# Altium PCB 3-as-manufactured.PcbDoc (part 5 of 16)
Units mil, origin at the board's own origin, x right, y up, seen from the top; angles counter-clockwise.
Board outline 4130.55 x 4250 mil, 8 copper layers (L1_TOP, L2_GND, L3_INT, L4_PWR, L5_PWR, L6_INT, L7_GND, L8_BOT), stack 61 mil thick; 584 components, 489 nets, 2229 pads, 1894 vias.
Unrouted connection lines stored in the file: 4.
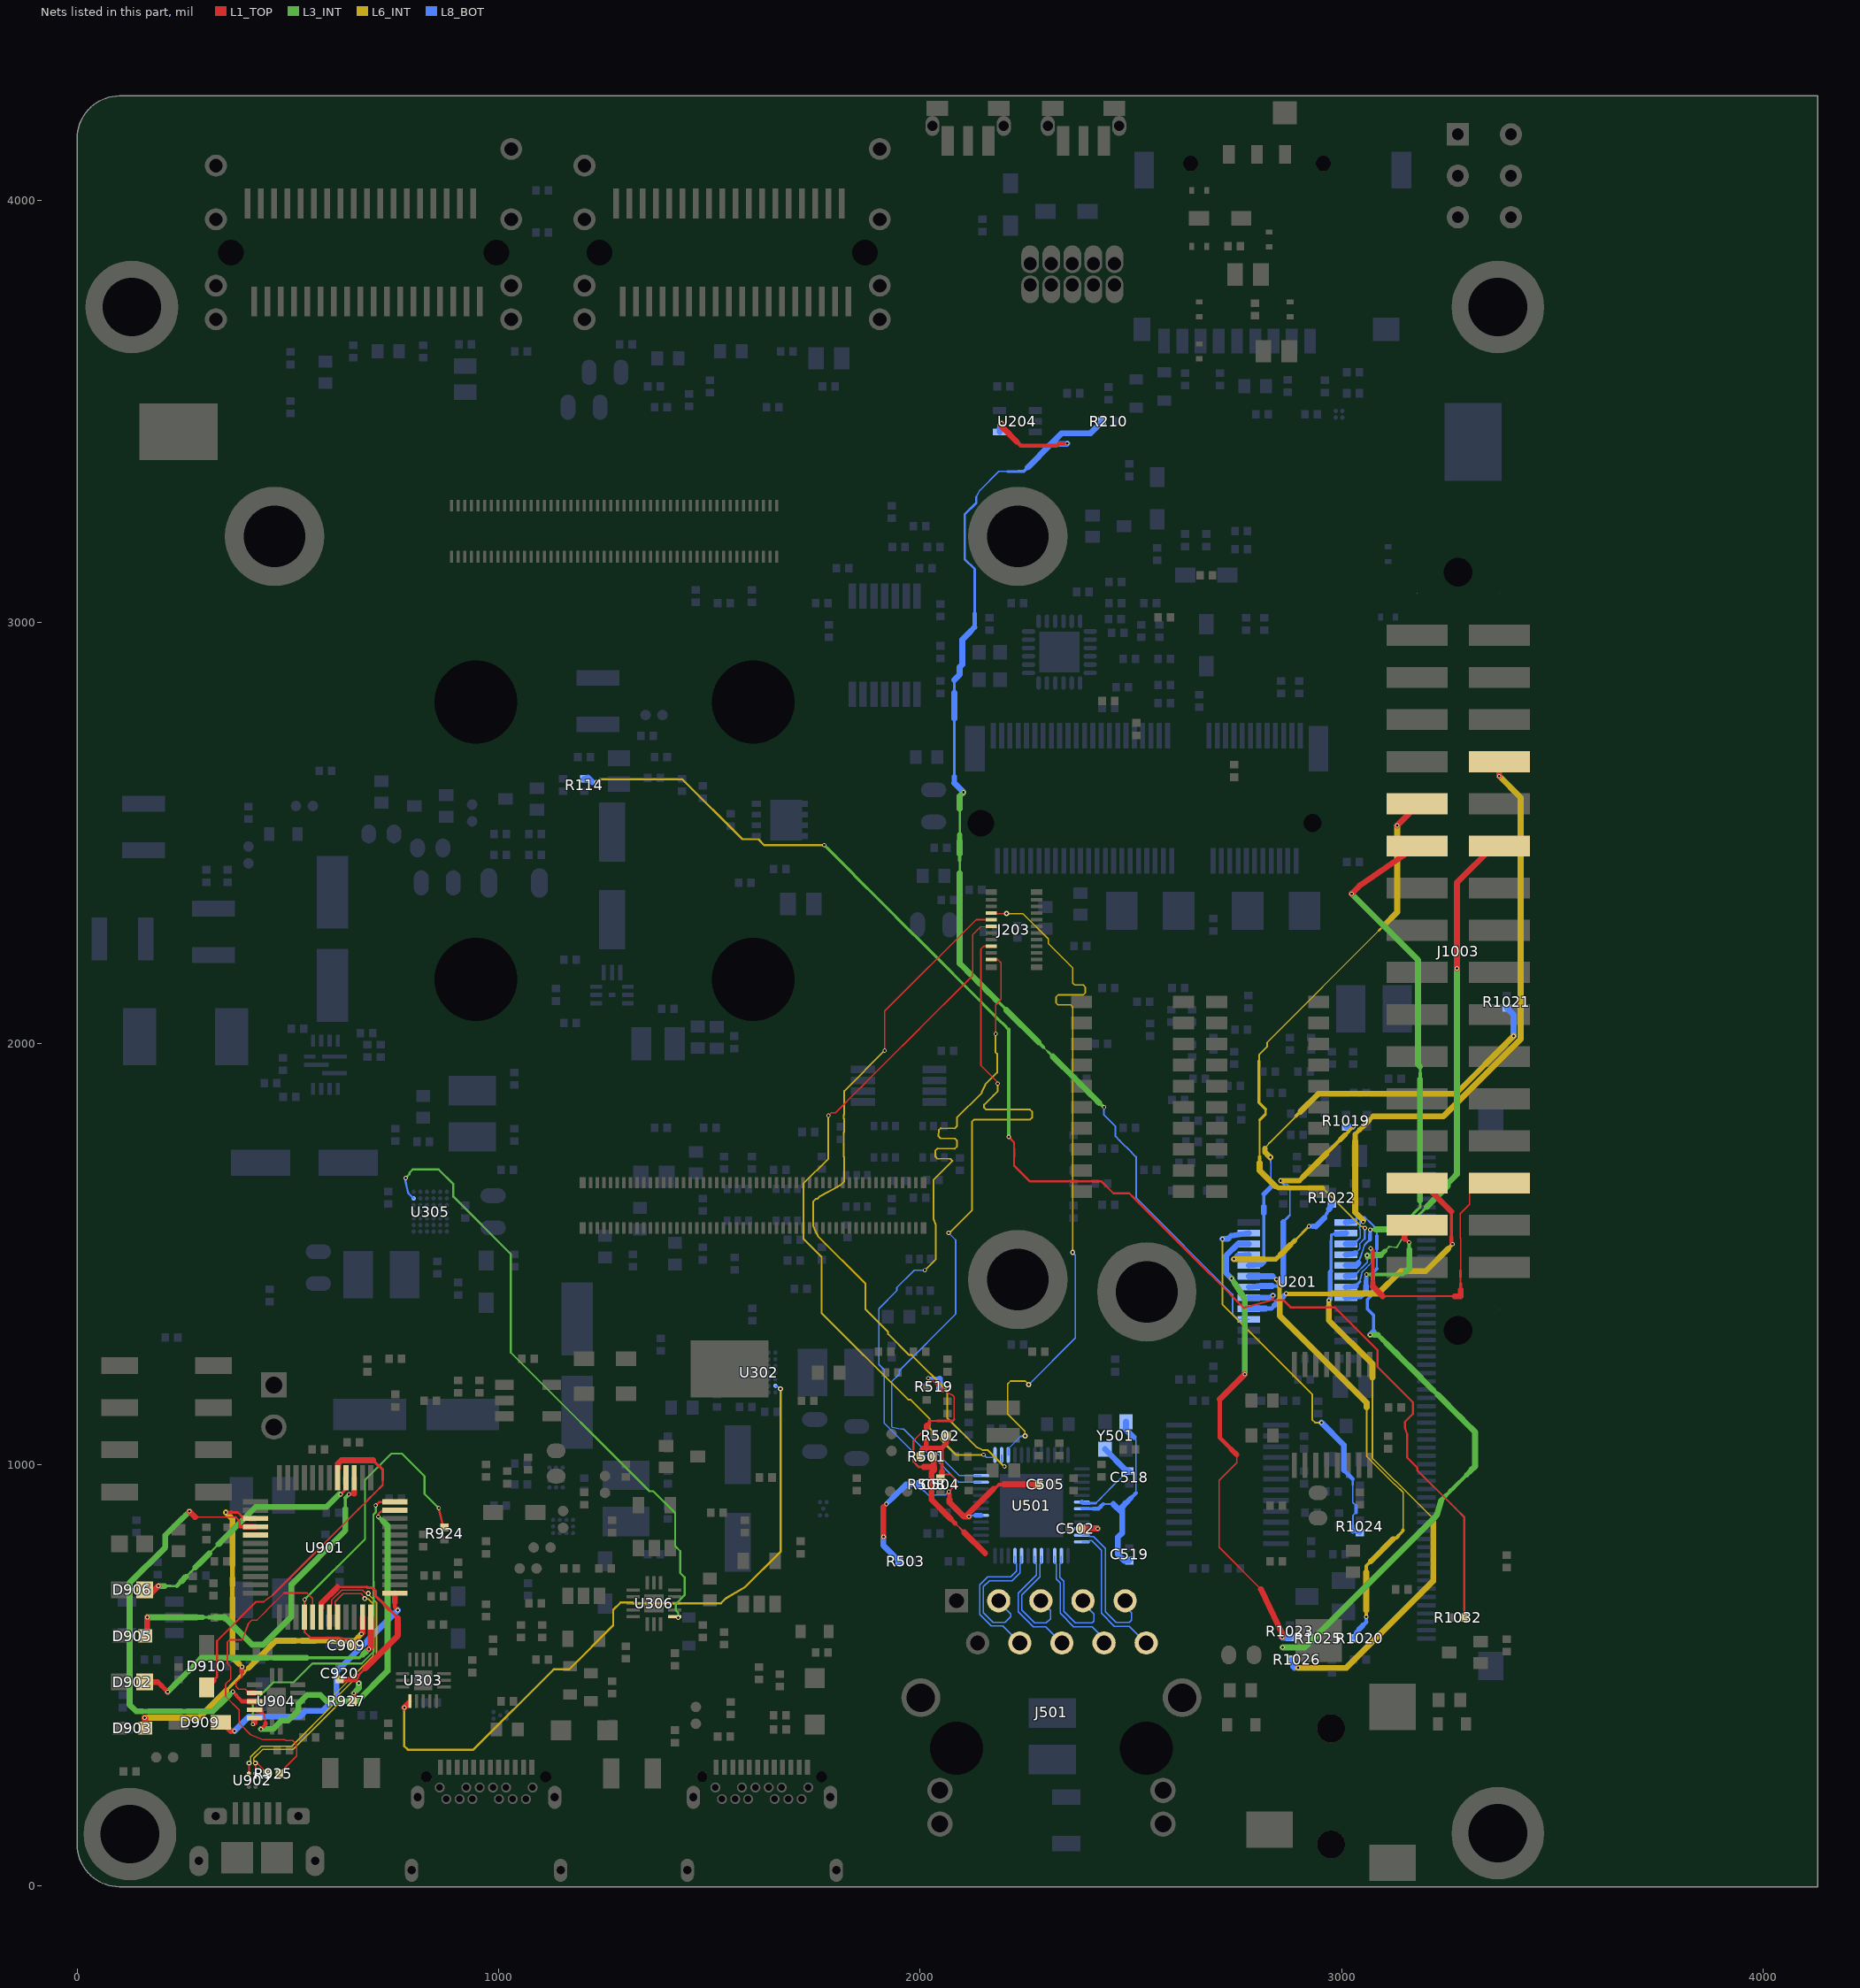
[diagram p11: the nets of this part, all layers, seen from the top]

## Via types
v1: diameter 10, hole 5.9, L1_TOP to L8_BOT, tented both sides, 1703 vias
v2: diameter 12, hole 5.9, L1_TOP to L8_BOT, tented both sides, 110 vias
v3: diameter 10, hole 6, L1_TOP to L8_BOT, tented both sides, 69 vias
v4: diameter 12, hole 6, L1_TOP to L8_BOT, tented both sides, 12 vias

## Nets (pads, with @x,y where several pads share a name; then routed paths per layer and width w, separated by ;. In a path a pad name is that pad's centre, name@x,y a point inside that pad or via, vN(x,y) a via of type N, cw(c..) or ccw(c..) an arc to the next point about the centre after c; other vN are vias at no path point) (continued)
ENET_TD1: J203.11 U501.37 | length 1709.6
  L1_TOP w3.5: v1(1782.13,1828.95) 1788.97,1835.79 1799.08,1835.79 1853.27,1889.98 1864.12,1900.83 1874.96,1911.68 1940.05,1976.76 1950.89,1987.61 1961.74,1998.45 2037.67,2074.38 2048.52,2085.23 2059.37,2096.08 2124.45,2161.16 2124.45,2258.09 2142.94,2276.59 2155.84,2277.36 J203.11@2168.74,2278.13
  L6_INT w4.2: v1(1782.13,1828.95) 1782.13,1726.75 1722.74,1667.36 1722.74,1536.95 1766.04,1493.65 1766.04,1360.26 1971.4,1154.9 1976.61,1154.9 2022.24,1109.26 2022.24,1086.52 2085.22,1023.55 2149.55,1023.55 v1(2150,1024)
  L8_BOT w3.5: v1(2150,1024) 2150.49,1024 2157,1017.49 2171.62,1017.49 U501.37@2177.44,1023.3
ENET_TD2: J203.13 U501.38 | length 1735.3
  L1_TOP w3.5: v1(1915.79,1983.21) 1915.79,2076.78 2132.89,2293.88 J203.13@2168.74,2293.89
  L6_INT w4.2: v1(1915.79,1983.21) 1819.8,1887.22 1819.8,1831.8 1818.84,1830.84 1818.84,1821.7 1819.2,1821.35 1819.2,1789.9 1818.9,1789.6 1818.9,1731 1819.1,1730.8 1819.1,1672.2 1810.72,1663.81 1801.77,1658.95 1790,1652.56 1778.23,1646.17 1766.46,1639.77 1762.63,1637.69 1761.67,1636.97 1756.6,1631.9 1753.22,1631.9 1745.76,1624.45 1745.76,1567 1751.5,1554.98 1757.25,1542.96 1869.87,1430.34 1869.87,1369.38 1923.9,1315.35 1923.9,1310.4 1973.92,1260.38 1980.08,1260.38 2064.19,1176.27 2064.19,1111.41 2132.94,1042.66 2146.15,1036.52 2148.36,1035.49 2149.2,1035.1 2150.13,1035.1 2160.57,1035.1 2199.61,996.06 v1(2199.89,996.06)
  L8_BOT w3.5: U501.38@2193.18,1023.3 2193.17,1002.92 2199.89,996.2 v1(2199.89,996.06)
ENET_TD3: J203.15 U501.39 | length 1677.2
  L1_TOP w3.5: J203.15@2168.74,2309.64 2170.02,2308.36 v2(2205.05,2308.36)
  L6_INT w3.5: v2(2205.05,2308.36) 2243.64,2308.36 2304,2248 2304,2237.08 2361.76,2179.32 2361.76,2145.22 2361.76,2143.47 2366.46,2138.77 2386.9,2138.77 2391.6,2134.07 2391.6,2119.97 2386.9,2115.27 2327.08,2115.27 2322.38,2110.57 2322.38,2096.47 2327.08,2091.77 2357.06,2091.77 2361.76,2087.07 2361.76,2057.72 v2(2361.76,1504.39) ; v2(2248.86,1068.86) 2248.71,1069 2248.71,1079.41 2207.25,1120.87 2207.25,1191.87 2214.13,1198.75 2249.36,1198.75 v2(2257.56,1190.56)
  L8_BOT w3.5: U501.39@2208.93,1023.3 2208.93,1038.3 2238.31,1067.68 2247.68,1067.68 v2(2248.86,1068.86) ; v2(2257.56,1190.56) 2368.44,1301.44 2368.44,1497.72 v2(2361.76,1504.39)
ENET_TX_CTL: J203.1 U501.34 | length 1701.9
  L1_TOP w3.5: J203.1@2168.74,2199.4 2183.87,2199.39 2191.99,2191.27 2191.99,2104.73 2179,2091.74 v1(2179,2023)
  L6_INT w4.2: v1(2011.05,1462.08) 2011.44,1462.08 2036.42,1487.06 2036.42,1569.32 2031.71,1584.55 2031.52,1585.79 2031.52,1676.4 2074.46,1719.34 2076.54,1721.42 2071.75,1726.31 2040.81,1726.65 2036.02,1731.54 2036.18,1746.06 2041.07,1750.85 2081.85,1750.4 2086.74,1755.19 2086.9,1769.71 2082.11,1774.6 2048.38,1774.97 2043.59,1779.86 2043.75,1794.38 2048.64,1799.17 2082.06,1798.8 2086.95,1803.59 2086.95,1823.59 2144.56,1881.19 2145.55,1882.18 2145.78,1882.42 2146.16,1884.84 2149.95,1893.25 2154.12,1902.48 2182.36,1930.72 2182.36,1975.42 2179,1978.78 v1(2179,2023)
  L8_BOT w3.5: v1(2011.05,1462.08) 1985.65,1462.08 1944.53,1420.96 1944.53,1413.34 1901.81,1370.62 1901.81,1238.28 1914.65,1225.44 1914.65,1099.01 1991.38,1022.28 2027.63,1022.28 2091.07,958.84 U501.34@2144.46,958.83
ENET_TXC: J203.5 U501.35 | length 1788.8
  L1_TOP w3.5: J203.5@2168.74,2230.9 2150.8,2230.89 2143.79,2223.88 2143.79,1948.19 2184,1907.98 v1(2184,1904.99)
  L6_INT w4.2: v1(2067.44,1550.4) 2069,1550.4 2071.88,1553.27 2072.01,1553.27 2122.56,1603.82 2122.56,1787.88 2122.56,1814.18 2127.4,1819.02 2260.38,1819.02 2265.22,1823.86 2265.22,1838.38 2260.38,1843.22 2156.29,1843.22 2151.45,1848.06 2151.45,1854.9 2173.55,1877 2184,1887.45 v1(2184,1904.99)
  L8_BOT w3.5: v1(2067.44,1550.4) 2084.06,1533.77 2084.06,1357.88 1949.95,1223.76 1949.95,1215.38 1932.3,1197.73 1932.3,1090.55 1933.94,1088.92 1947.9,1086.01 1954.27,1084.68 1954.98,1084.61 1960.83,1084.61 2016.66,1028.78 2038.3,1028.78 2092.5,974.59 U501.35@2144.46,974.58
ENET_VDDH_2V5: C502.1 R501.2 R519.2 U501.10 | length 756.7
  L1_TOP w3.5: 1984.02,1057.03 2015.6,1088.61 ; v1(2019,1205.76) 2020.76,1205.76 2025.81,1200.71 2028.35,1200.71 2039.29,1189.77 2039.29,1188.5 2050.24,1177.55 ; 2053.4,1177.55 2065.19,1171.38 2076.98,1165.22 2080.75,1161.45 2080.75,1107.75
  L1_TOP w3.83: 2082.66,861.43 2093.5,850.59
  L1_TOP w4.85: 1984.02,1007.14 1989.94,1001.22 ; 2021.46,1104.47 2039.87,1104.47 ; 2077.49,1104.47 2080.75,1107.73 ; 2093.5,850.59 2104.33,839.76
  L1_TOP w5.87: 1984.02,1007.14 1984.02,1057.03 ; 1989.94,1001.22 1995.86,995.3 2008.14,995.3 ; 2052.41,1104.47 2077.49,1104.47
  L1_TOP w6.9: 2039.87,1104.47 2052.41,1104.47
  L1_TOP w7.92: 2021.46,1098.61 2021.46,1104.47
  L1_TOP w8.94: 2015.6,1092.74 2015.6,1093.37 2020.83,1098.61 2021.46,1098.61
  L1_TOP w10.99: 2050.24,1177.55 2053.4,1177.55 ; 2071.83,872.26 2082.66,861.43
  L1_TOP w14.05: 2008.14,995.3 2032.69,995.3 ; 2015.6,1088.61 2015.6,1092.74 ; R501.2@2029.9,1019.79 2031.87,1017.83 2031.87,996.12 2032.69,995.3 ; 2071.83,872.26 2026.86,917.23 2026.86,981.89 2032.69,987.72 2032.69,995.3 ; 2104.33,839.76 2154.23,789.86 ; C502.1@2382.88,848.58 2421.07,848.58 v1(2421.12,848.63)
  L8_BOT w7.92: v1(2019,1205.76) 2045.17,1205.76 2046.47,1204.46
  L8_BOT w14.05: R519.2@2046.48,1185.79 2046.48,1204.45 ; U501.10@2395.61,848.58 2421.07,848.58 v1(2421.12,848.63)
ENET_VDDIO: C504.1 C505.1 R501.1 R502.1 R503.1 R508.1 U501.29 | length 923.4
  L1_TOP w3.83: 2057.93,977.6 2072.54,977.6 2079.63,970.51 2079.63,949.15 2076.73,945.59 2070.72,938.83 2068.48,936.58 v1(2067.83,936.58)
  L1_TOP w6.9: 2174.13,943.06 2177.71,946.64 2179.87,946.64 2185.25,952.02
  L1_TOP w7.92: 2067.83,930.78 v1(2067.83,936.58) ; 2185.25,952.02 2186.62,953.39 2197.95,953.39
  L1_TOP w8.94: R501.1@2002.9,1028.22 2005.42,1036.63 ; 2051.6,983.63 2051.6,1040.13
  L1_TOP w9.96: 1912.74,900 v1(1919.63,906.89) ; 2067.83,930.78 2068.21,930.4 2069.48,929.57
  L1_TOP w10.99: R501.1@2000.38,1019.79 R501.1@2002.9,1028.22 ; v1(2010,1063) 2011.54,1063 v1@2014.08,1060.46 ; 2015.96,1040.13 2051.6,1040.13 2063.09,1051.63 R502.1@2063.09,1060.62 ; 2069.48,917.96 2069.48,929.57
  L1_TOP w12.01: 2007.05,1038.26 2014.08,1038.26 ; v1@2014.08,1060.46 2014.08,1038.26 ; 2015.96,1040.13 2014.08,1038.26
  L1_TOP w14.05: v1(1912.74,829.38) 1912.74,900 ; 2005.42,1036.63 2007.05,1038.26 ; C504.1@2048.32,968.14 2049.31,968.14 2051.29,970.11 2051.29,983.32 2051.6,983.63 ; R502.1@2063.09,1060.62 R502.1@2063.09,1069.61 ; 2069.48,917.96 2069.48,910.97 2103.24,877.21 v1(2115.88,877.21) ; 2109.66,879.15 2173.56,943.06 2174.13,943.06 ; 2197.95,953.39 C505.1@2282.38,953.38
  L8_BOT w3.5: 2019.08,928.6 2059.84,928.6
  L8_BOT w3.83: 2010.28,937.4 2019.08,928.6 ; 2059.84,928.6 v1(2067.83,936.58) ; v1(2115.88,877.21) 2118.77,880.1 U501.29@2131.61,880.1
  L8_BOT w4.85: R508.1@2001.48,946.2 2010.28,937.4
  L8_BOT w10.99: v1(1919.63,906.89) 1926.71,913.97 ; U501.29@2131.61,880.1 U501.29@2144.46,880.09
  L8_BOT w12.01: 1926.71,913.97 1933.79,921.05
  L8_BOT w14.05: v1(1912.74,829.38) 1912.74,808.63 R503.1@1950.61,770.76 ; 1933.8,921.05 1966.12,953.38 R508.1@2000.38,953.38 2001.48,951.54 R508.1@2001.48,946.2
ENET_XTLI: C519.1 U501.7 Y501.3 | length 485
  L8_BOT w3.5: 2506.28,1065.87 2512.13,1060.02 2512.13,933.23
  L8_BOT w3.83: 2434.3,907.11 2458.26,907.11
  L8_BOT w7.92: U501.7@2383.64,895.85 2409.9,895.85
  L8_BOT w8.94: 2409.9,895.85 2423.03,895.85 ; 2428.66,901.48 2434.3,907.11 ; 2499.9,920.99 2510.05,931.15 2512.13,933.23
  L8_BOT w9.96: 2423.03,895.85 2428.66,901.48
  L8_BOT w12.01: 2489.75,910.84 2499.9,920.99
  L8_BOT w14.05: 2458.26,907.11 2479.6,885.78 ; Y501.3@2488.43,1102.08 2488.44,1083.7 2506.27,1065.87 ; 2489.75,910.84 2479.6,900.69 2479.6,885.78 ; C519.1@2496.21,772.6 2484.06,772.62 2469,787.68 2469,828.3 2479.6,838.91 2479.6,885.78
ENET_XTLO: C518.1 U501.6 Y501.1 | length 222.9
  L8_BOT w3.5: 2416.31,909.05 2426.64,919.37 2436.96,929.69 2457.6,950.34 2467.92,960.66 2478.24,970.98 C518.1@2488.57,981.3
  L8_BOT w6.9: U501.6@2401.24,909.05 2416.31,909.05
  L8_BOT w7.92: U501.6@2383.64,911.58 2386.17,909.05 U501.6@2401.24,909.05
  L8_BOT w8.94: C518.1@2488.57,981.3 C518.1@2496.21,984.74
  L8_BOT w14.05: Y501.1@2438.43,1037.08 C518.1@2486.3,989.2 ; C518.1@2486.31,989.2 C518.1@2496.21,984.74
ETH_TRX0_N: J501.10 U501.12 | length 342.3
  L8_BOT w3: U501.12@2383.64,817.1 2399.53,817.1 2402.9,820.47 2407.14,820.47 2430,797.61 2430,648 2461,617 2496.7,617 J501.10@2536.26,577.44
ETH_TRX0_P: J501.9 U501.11 | length 345.3
  L8_BOT w3: U501.11@2383.64,832.84 2399.53,832.84 2402.9,829.47 2410.87,829.47 2439,801.34 2439,651.73 2464.73,626 2496,626 2501,631 2501,649.68 2486.26,664.42 J501.9@2486.26,677.44
ETH_TRX1_N: J501.8 U501.15 | length 280.8
  L8_BOT w3: U501.15@2319.17,784.12 2319.17,768.24 2322.54,764.86 2322.54,729.46 2327.82,724.18 2332.1,719.9 2332.1,648.18 2364.27,616 2408,616 2436.26,587.74 J501.8@2436.26,577.44
ETH_TRX1_P: J501.7 U501.14 | length 280.4
  L8_BOT w3: U501.14@2334.92,784.12 2334.92,768.24 2331.54,764.86 2331.54,733.18 2341.1,723.63 2341.1,651.9 2368,625 2408,625 2412,629 2412,645.8 2386.26,671.54 J501.7@2386.26,677.44
ETH_TRX2_N: J501.6 U501.18 | length 286.4
  L8_BOT w3: U501.18@2271.92,784.12 2271.92,768.24 2275.29,764.86 2275.29,737.97 2232.35,695.03 2232.35,651.55 2265.47,618.43 2268.11,615.79 2297.91,615.79 J501.6@2336.26,577.44
ETH_TRX2_P: J501.5 U501.17 | length 284.4
  L8_BOT w3: J501.5@2286.26,677.44 2309,654.7 2309,635 2298.79,624.79 2271.84,624.79 2241.35,655.27 2241.35,691.3 2284.29,734.24 2284.29,764.86 2287.67,768.24 U501.17@2287.67,784.12
ETH_TRX3_N: J501.4 U501.21 | length 331.4
  L8_BOT w3: U501.21@2224.68,784.12 2224.68,768.24 2228.05,764.86 2228.05,747.55 2214.74,734.24 2160.19,734.24 2141.13,715.18 2141.13,645.31 2168.89,617.55 2196.15,617.55 J501.4@2236.26,577.44
ETH_TRX3_P: J501.3 U501.20 | length 333.2
  L8_BOT w3: J501.3@2186.26,677.44 2186.26,674.15 2214.68,645.73 2214.68,639.82 2201.4,626.55 2172.62,626.55 2150.13,649.04 2150.13,711.45 2163.92,725.24 2218.47,725.24 2237.05,743.83 2237.05,764.86 2240.43,768.24 U501.20@2240.43,784.12
EX_POR_B: R210.2 U201.3 U204.4 | length 2928.6
  L1_TOP w9.96: 2228.55,3428.95 2238.49,3419.01 2324.07,3419.01 2329.06,3424 v1(2349,3424)
  L1_TOP w14.05: v1(2193,3472) 2193,3464.5 2208.67,3448.83 2218.61,3438.89 2228.55,3428.95
  L3_INT w3.5: 2292.24,1991.52 2294.99,1988.77 2294.99,1988.31 2302.8,1980.49 2303.27,1980.49
  L3_INT w4.85: 2093.76,2403.95 2093.76,2434.52 ; 2093.76,2495.65 2093.76,2556.78
  L3_INT w5.87: 2303.27,1980.49 2314.3,1969.46
  L3_INT w6.9: 2181.97,2101.79 2204.03,2079.73
  L3_INT w7.92: 2093.76,2434.52 2093.76,2449.8 ; 2281.22,2002.55 2292.24,1991.52 ; 2424.57,1859.2 2425.44,1859.2 2435.63,1849 v1(2436.2,1849)
  L3_INT w13.03: 2093.76,2480.36 2093.76,2495.65
  L3_INT w14.05: 2093.76,2403.95 2093.76,2312.26 2093.76,2190 2104.79,2178.97 2115.81,2167.95 2126.84,2156.92 2137.87,2145.89 2148.89,2134.87 2159.92,2123.84 2170.95,2112.81 2181.97,2101.79 ; 2093.76,2449.8 2093.76,2480.36 ; 2093.76,2556.78 2093.76,2587.34 v1(2102.68,2596.26) ; 2204.03,2079.73 2281.22,2002.55 ; 2314.3,1969.46 2369.43,1914.33 2380.46,1903.3 2391.48,1892.28 2402.51,1881.25 2413.54,1870.22 2424.57,1859.2
  L8_BOT w3.5: 2132.84,3297.24 2137.29,3305.16 2141.75,3313.07 2186.57,3357.89
  L8_BOT w3.83: 2186.57,3357.89 2206.7,3357.89 2207.36,3357.23
  L8_BOT w4: v1(2436.2,1849) 2436.15,1848.96 2436.15,1830.73 2444.88,1822.01 2463.45,1803.44 2463.45,1779.56 2473.22,1769.79 2482.98,1760.02 2492.75,1750.26 2512.29,1730.72 2512.29,1702.98 2512.29,1633.63 2741.34,1404.57 2741.34,1358.09 2754.18,1345.26 U201.3@2779.79,1345.26
  L8_BOT w5.87: 2129.2,3020.29 2129.2,3126.16 2105.48,3149.88 2105.48,3255.75 2132.84,3283.12 2132.84,3297.24
  L8_BOT w6.9: 2081,2633.25 2081,2771.16 ; 2081,2832.45 2081,2863.1 ; 2207.36,3357.23 2232.22,3357.23 2232.89,3357.9
  L8_BOT w7.92: 2232.89,3357.9 2245.65,3357.9 2254.89,3367.15
  L8_BOT w9.96: 2129.2,2987.91 2129.2,3020.29
  L8_BOT w10.99: 2188.29,3459.72 2188.29,3467.29 v1(2193,3472)
  L8_BOT w12.01: 2081,2617.93 2081,2633.25
  L8_BOT w13.03: 2119.56,2978.27 2129.2,2987.91
  L8_BOT w14.05: 2081,2617.93 v1(2102.68,2596.26) ; 2081,2771.16 2081,2832.45 ; 2081,2863.1 2093.76,2875.85 2093.76,2893.21 2100,2899.45 2100,2958.71 2119.56,2978.27 ; U204.4@2188.29,3451.22 2188.29,3459.72 ; 2254.89,3367.15 2310.95,3423.21 ; v1(2349,3424) 2348.21,3423.21 2310.95,3423.21 ; R210.2@2431.67,3476.81 2429.71,3474.85 2429.71,3473.84 2404.39,3448.52 2336.27,3448.52 2310.95,3423.21
EXP_IO0: R1019.2 U201.6 | length 595.6
  L6_INT w8.94: 2975.44,1750.45 2997.09,1772.1 ; 3007.92,1782.92 v1(3028.24,1803.24) v1@3029.57,1804.57
  L6_INT w9.96: 2964.62,1739.62 2975.44,1750.45
  L6_INT w12.01: v1(2855.1,1674.67) 2899.67,1674.67 2910.49,1685.49 ; 2997.09,1772.1 3007.92,1782.92
  L6_INT w14.05: 2910.49,1685.49 2964.62,1739.62
  L8_BOT w3.5: 2864.1,1665.67 2871.51,1665.67 2876.99,1660.18 2876.99,1592.31
  L8_BOT w5.87: 2861.24,1576.56 2870.49,1585.81 2876.99,1592.31
  L8_BOT w6.9: v1(2855.1,1674.67) 2864.1,1665.67
  L8_BOT w7.92: v1@3026.91,1801.91 v1(3028.24,1803.24) v1@3029.57,1804.57
  L8_BOT w8.94: 2835.38,1424.7 2849.68,1424.7
  L8_BOT w10.99: 2849.68,1424.7 2853.63,1424.7
  L8_BOT w13.03: R1019.2@3018.67,1801.91 v1@3026.91,1801.91
  L8_BOT w14.05: U201.6@2779.79,1422.03 2806.77,1424.7 2835.38,1424.7 ; 2853.63,1424.7 2861.24,1432.31 2861.24,1576.56 ; R1019.2@3010.45,1801.9 R1019.2@3018.67,1801.91
EXP_IO1: R1020.2 U201.7 | length 1095.9
  L6_INT w3.5: 3059.45,1136.2 3059.45,1019.82 3124.91,954.36 3126.16,954.36 3145.8,934.73 3145.8,845.22
  L6_INT w6.9: 3135.3,831.93 3135.3,833.38 3145.8,843.88 3145.8,845.21
  L6_INT w7.92: v1(3058.48,639.17) 3058.48,654.34 ; 3058.48,745.32 3058.48,760.48 3069.07,771.07
  L6_INT w8.94: 3122.02,824.03 3124.15,826.15 3129.51,826.15 3135.3,831.93
  L6_INT w10.99: v1(2845,1440) 2852.85,1432.15 2852.85,1390.2
  L6_INT w13.03: 3069.07,771.07 3122.02,824.03
  L6_INT w14.05: 2852.85,1390.2 2852.85,1354.38 3059.45,1147.78 3059.45,1136.2 ; 3058.48,654.34 3058.48,745.32
  L8_BOT w7.92: R1020.2@3028.87,588.15 3033.63,602.17 ; 3058.48,627.02 v1(3058.48,639.17)
  L8_BOT w8.94: 2836.1,1447.62 2837.1,1447.62 2844.71,1440 v1(2845,1440)
  L8_BOT w9.96: 3033.63,602.17 3041.91,610.46 ; 3050.19,618.74 3058.48,627.02
  L8_BOT w13.03: 3041.91,610.46 3050.19,618.74
  L8_BOT w14.05: U201.7@2779.79,1447.63 2836.1,1447.62
EXP_IO2: R1021.2 U201.8 | length 1093.6
  L6_INT w3.5: 2818.16,1751.16 2827.58,1763.39
  L6_INT w3.83: 2827.58,1763.39 2891.61,1827.42
  L6_INT w7.92: 2891.61,1827.42 2902.28,1838.09
  L6_INT w13.03: 2818.16,1751.16 2818.16,1742.21 2823.8,1736.57
  L6_INT w14.05: 2823.8,1736.57 2830.37,1730 v1(2831,1730) ; 2902.28,1838.09 2944.97,1880.78 3271.06,1880.78 v1(3407.93,2017.64)
  L8_BOT w3.5: v1(2831,1730) 2831.75,1717.96 2832.34,1714.6 2832.34,1659.51
  L8_BOT w6.9: 2815.58,1627.66 2815.58,1642.75
  L8_BOT w7.92: 2815.58,1483.41 2815.58,1597.48 ; 2815.58,1612.57 2815.58,1627.66
  L8_BOT w10.99: 2815.58,1642.75 2832.34,1659.51
  L8_BOT w14.05: U201.8@2779.79,1473.22 2808.19,1476.02 2815.58,1483.41 ; 2815.58,1597.48 2815.58,1612.57 ; R1021.2@3391.99,2084.13 3407.93,2068.19 v1(3407.93,2017.64)
EXP_IO3: R1022.2 U201.9 | length 331.5
  L6_INT w5.87: 2889.02,1532.93 v1(2922.47,1566.38)
  L6_INT w10.99: 2815.88,1488.33 2844.42,1488.33 2855.57,1499.48 ; 2877.87,1521.78 2889.02,1532.93
  L6_INT w14.05: v1(2744.52,1488.33) 2815.88,1488.33 ; 2855.57,1499.48 2877.87,1521.78
  L8_BOT w7.92: 2958.65,1585.75 2963.45,1594.38 2970.37,1606.83
  L8_BOT w9.96: v1(2922.47,1566.38) 2931.73,1566.38
  L8_BOT w12.01: v1(2744.52,1488.33) 2745.16,1488.33 U201.9@2752.97,1496.15 ; 2931.73,1566.38 2939.28,1566.38
  L8_BOT w14.05: U201.9@2752.97,1496.15 U201.9@2779.79,1498.81 ; 2939.28,1566.38 2958.65,1585.75 ; 2970.37,1606.83 R1022.2@2977.28,1619.27
EXP_IO4: R1023.2 U201.10 | length 1116
  L1_TOP w3.5: 2751.23,1023.89 2751.23,1005.32 2709,963.09 2709,804.65 2808.5,705.15
  L1_TOP w9.96: 2711.02,1155.86 2711.02,1064.1 2737.85,1037.27
  L1_TOP w12.01: 2737.85,1037.27 2751.23,1023.89
  L1_TOP w14.05: 2711.02,1155.86 v1(2770.41,1215.25) ; 2808.5,705.15 2859,599.21 v1@2859,590.65
  L3_INT w13.03: v1(2738.76,1442.59) 2746.67,1430.31
  L3_INT w14.05: 2746.67,1430.31 2754.58,1418.04 2762.49,1405.77 2770.41,1393.49 v1(2770.41,1215.25)
  L8_BOT w14.05: v1(2738.76,1442.59) 2726.2,1455.14 2726.2,1496.72 2753.87,1524.39 U201.10@2779.79,1524.4 ; v1(2859.01,590.64) 2859.66,589.98 R1023.2@2877.74,589.99
EXP_IO5: R1024.2 U201.11 | length 919.1
  L6_INT w4: v1(2717.36,1536.18) 2717.36,1380.32 2930,1167.68 2930,1106.98 2936.67,1100.31 2951.86,1100.31 v1(2952.09,1100.08)
  L8_BOT w3.83: 3026.33,952.64 3026.33,911.09 3034.35,903.07 ; 3026.78,879.63 3034.35,887.21
  L8_BOT w4.85: 3026.33,952.64 3026.33,966.49 ; 3026.78,855.91 3026.78,879.63
  L8_BOT w5.87: 3026.78,844.08 3026.78,855.91
  L8_BOT w7.92: 3034.35,887.21 3034.35,903.07
  L8_BOT w8.94: 3026.82,844.03 R1024.2@3035.2,841.52
  L8_BOT w9.96: 3005.27,987.55 3015.8,977.02 3026.33,966.49
  L8_BOT w10.99: R1024.2@3035.2,841.52 R1024.2@3043.63,839.01
  L8_BOT w14.05: v1(2717.36,1536.18) 2730.18,1536.18 2737.75,1543.74 U201.11@2779.79,1549.99 ; v1(2952.09,1100.08) 3005.27,1046.89 3005.27,987.55 ; 3026.78,844.08 3026.82,844.03
EXP_IO6: R1025.2 U201.13 | length 1512.1
  L3_INT w8.94: 3246.56,926.39 3256.56,936.39 ; 3266.56,946.39 3296.56,976.39
  L3_INT w9.96: 3256.56,936.39 3266.56,946.39
  L3_INT w10.99: 3086.07,1308.48 3097,1297.55 ; 3217.24,1177.31 3228.17,1166.38 ; 3236.26,916.09 3246.56,926.39
  L3_INT w12.01: v1(3068.01,1308.48) 3077.04,1308.48 ; 3097,1297.55 3107.93,1286.62 ; 3296.56,976.39 3306.56,986.39
  L3_INT w14.05: v1(2860,567) 2912.17,567 3223,877.83 3225.5,880.33 3226.52,883.72 3236.26,916.09 ; 3077.04,1308.48 3086.07,1308.48 ; 3107.93,1286.62 3118.86,1275.69 3129.79,1264.76 3140.72,1253.83 3173.52,1221.03 3184.45,1210.1 3195.38,1199.17 3217.24,1177.31 ; 3228.17,1166.38 3239.1,1155.44 3271.9,1122.65 3282.83,1111.72 3293.76,1100.79 3316.56,1077.99 3316.56,996.39 3306.56,986.39
  L8_BOT w3.83: 3055.23,1588.06 3064.73,1578.56
  L8_BOT w4.85: 3039.17,1588.06 3055.23,1588.06 ; 3064.73,1578.56 3074.23,1569.06 3083.73,1559.56 3083.73,1543.87 ; 3083.73,1465.42 3083.73,1512.49
  L8_BOT w6.9: U201.13@3029.53,1578.43 3039.17,1588.06
  L8_BOT w7.92: v1(2860,567) 2909.19,567 2925.44,583.24 R1025.2@2925.44,592.06 ; 3075.87,1316.34 3075.87,1355 3061.04,1369.83 3061.04,1392.17 3074.04,1405.17 3074.04,1455.73 3083.73,1465.42 ; 3083.73,1512.49 3083.73,1543.87
  L8_BOT w14.05: U201.13@3010.29,1575.58 U201.13@3029.53,1578.43 ; v1(3068.01,1308.48) 3075.87,1316.34
EXP_IO7: R1026.2 U201.14 | length 1399.8
  L6_INT w3.5: 3073.16,1207.25 3073.16,1015.31 3127.6,960.87 3128.86,960.87 3217.27,872.46 3217.27,864.63
  L6_INT w10.99: 2969.76,1375.38 v1(2969.76,1390.39)
  L6_INT w14.05: v1(2896.75,518.28) 3011.15,518.28 3217.27,724.39 3217.27,864.63 ; 2969.76,1375.38 2969.76,1343.01 3073.16,1239.62 3073.16,1207.25
  L8_BOT w5.87: 2975.17,1531.95 2975.17,1546.5 U201.14@2986.88,1547.66
  L8_BOT w6.9: 2975.17,1459.2 2975.17,1531.95
  L8_BOT w7.92: v1(2969.76,1390.39) v1@2972.88,1393.5
  L8_BOT w8.94: 2882.59,528.32 2884.63,521.52 ; 2972.88,1456.92 2975.17,1459.2
  L8_BOT w9.96: R1026.2@2879.59,538.35 2882.59,528.32
  L8_BOT w12.01: 2887.87,518.28 v1(2896.75,518.28) ; v1@2972.88,1393.5 2972.88,1456.92
  L8_BOT w14.05: 2884.63,521.52 2887.87,518.28 ; U201.14@2986.88,1547.66 2998.59,1548.82 U201.14@3010.29,1549.99
EXP_IO8: J1003.12 U201.15 | length 1465.1
  L1_TOP w14.05: v1(3374.07,2634.57) J1003.12@3374.07,2668.79
  L6_INT w7.92: v1(3051.08,1576.28) v1@3051.08,1580.47
  L6_INT w9.96: 3032.1,1784.53 3042.84,1795.27 ; 3064.33,1816.76 3075.07,1827.5
  L6_INT w12.01: 3032.1,1769.1 3032.1,1784.53 ; 3042.84,1795.27 3053.59,1806.01
  L6_INT w13.03: 3053.59,1806.01 3064.33,1816.76
  L6_INT w14.05: 3032.1,1769.1 3032.1,1599.45 v1@3051.08,1580.47 ; 3075.07,1827.5 3241.91,1827.5 3424.98,2010.57 3424.98,2583.66 v1(3374.07,2634.57)
  L8_BOT w3.5: 3044.33,1556.56 3042.61,1564.25 3045.67,1576.28
  L8_BOT w3.83: U201.15@3036.86,1531.86 3044.33,1539.33 3044.33,1556.56
  L8_BOT w4.85: U201.15@3029.4,1524.4 U201.15@3036.86,1531.86
  L8_BOT w7.92: 3045.67,1576.28 v1(3051.08,1576.28)
  L8_BOT w14.05: U201.15@3010.29,1524.4 U201.15@3029.4,1524.39
EXP_IO9: J1003.13 U201.16 | length 1434.7
  L1_TOP w14.05: v1(3131.93,2517.46) 3179.19,2564.72 J1003.13@3179.19,2568.79
  L6_INT w3.5: 2805.47,1731.34 2805.47,1804.04 ; 2822.78,1991.82 2823.07,1992.11 2823.07,2002.87 3087.75,2267.55 ; 2954.89,1657.27 3046.63,1565.53 3049.71,1565.53 3053.24,1562 v1(3055,1562)
  L6_INT w3.83: 2804.05,1958.65 2804.05,1973.09 2822.78,1991.82
  L6_INT w4.85: 2805.47,1804.04 2805.47,1818.57 ; 3087.75,2267.55 3098.79,2278.59
  L6_INT w5.87: 2818.11,1831.22 2819.45,1832.55 2819.45,1843.45
  L6_INT w6.9: 2804.05,1958.65 2804.05,1859.55 2819.45,1844.16 2819.45,1843.45 ; 2805.47,1818.57 2818.11,1831.22
  L6_INT w8.94: 2805.47,1716.8 2805.47,1731.34
  L6_INT w12.01: 2841.95,1661.92 2851.22,1657.27 2954.89,1657.27
  L6_INT w14.05: 2805.47,1716.8 2805.47,1698.41 2841.95,1661.92 ; 3098.79,2278.59 3131.93,2311.73 v1(3131.93,2517.46)
  L8_BOT w3.5: 3042.08,1511.91 3042.08,1512.27 3043.11,1513.3 3043.11,1525.2 3053.95,1536.05
  L8_BOT w3.83: U201.16@3032.34,1502.07 3042.03,1511.77 3042.08,1511.91
  L8_BOT w4.85: 3053.95,1536.05 3055,1537.09 v1(3055,1562)
  L8_BOT w14.05: U201.16@3010.29,1498.81 U201.16@3032.34,1502.07
EXP_IO10: J1003.15 U201.17 | length 1263.4
  L1_TOP w14.05: v1(3023.87,2355.39) 3038.61,2370.12 3044.1,2375.61 J1003.15@3179.19,2468.79
  L3_INT w5.87: 3154.31,1580.19 3164.95,1590.82 3175.58,1601.46 3186.21,1612.09 3186.21,1627.23 ; 3186.21,1657.5 3186.21,1672.63 ; 3186.21,1929.95 3186.21,1945.08
  L3_INT w6.9: 3186.21,1672.63 3186.21,1687.77
  L3_INT w7.92: v1(3068,1558) 3068.4,1558.4 3079.77,1558.4 3080.3,1558.92 ; 3186.21,1914.81 3186.21,1929.95
  L3_INT w10.99: 3143.68,1569.56 3154.31,1580.19
  L3_INT w13.03: 3186.21,1642.36 3186.21,1657.5
  L3_INT w14.05: v1(3023.87,2355.39) 3181.14,2198.13 3181.14,1950.16 3186.21,1945.08 ; 3080.3,1558.92 3133.05,1558.92 3143.68,1569.56 ; 3186.21,1627.23 3186.21,1642.36 ; 3186.21,1687.77 3186.21,1854.27 3186.21,1914.81
  L8_BOT w3.5: 3039.96,1479.64 3044.66,1493.14 3049.35,1506.64 3054.05,1520.15
  L8_BOT w3.83: 3054.06,1520.16 3054.06,1521.82
  L8_BOT w4.85: 3054.06,1521.82 3060.58,1528.34 3067.11,1534.87
  L8_BOT w7.92: 3067.11,1546.9 3067.6,1547.39 3067.6,1557.6 v1(3068,1558)
  L8_BOT w9.96: 3067.11,1534.87 3067.11,1546.9
  L8_BOT w14.05: U201.17@3010.29,1473.22 3034.71,1473.21 3039.95,1478.45 ; 3039.96,1478.46 3039.96,1479.64
EXP_IO11: J1003.16 U201.18 | length 1216.3
  L1_TOP w14.05: v1(3273.55,2178.22) 3273.55,2381.95 3360.38,2468.78 J1003.16@3374.07,2468.79
  L3_INT w3.5: 3112.46,1517.26 3118.91,1517.26 3130.77,1515.79
  L3_INT w3.83: 3130.77,1515.79 3139.1,1529.14 3147.44,1542.49
  L3_INT w4.85: 3102.81,1507.61 3112.46,1517.26
  L3_INT w5.87: 3164.1,1569.19 3172.43,1582.53 3182.42,1592.52 3192.41,1602.51 3202.39,1612.49
  L3_INT w6.9: 3155.77,1555.84 3164.1,1569.19
  L3_INT w10.99: 3093.16,1497.96 3102.81,1507.61 ; 3147.44,1542.49 3155.77,1555.84
  L3_INT w14.05: v1(3060.77,1496.9) 3062.37,1495.3 3074.35,1495.3 3077.01,1497.96 3093.16,1497.96 ; 3202.39,1612.49 3252.32,1662.42 3252.32,1668.62 3268.24,1684.54 3273.55,1689.85 v1(3273.55,2178.22)
  L8_BOT w3.5: 3039.59,1458.73 3040.53,1460.36 3050.65,1470.48 3060.77,1480.6 3060.77,1489.28
  L8_BOT w3.83: U201.18@3030.49,1449.62 3039.59,1458.72
  L8_BOT w7.92: 3060.77,1489.28 v1(3060.77,1496.9)
  L8_BOT w14.05: U201.18@3010.29,1447.63 U201.18@3030.49,1449.62
EXP_IO12: J1003.32 U201.19 | length 759.9
  L1_TOP w3.5: 3282.33,1461.02 3282.33,1537.33 3281.3,1538.36 3281.3,1596.32 3303.32,1618.33 3303.32,1645.54 3320.41,1662.63 J1003.32@3362.19,1662.63
  L1_TOP w3.83: 3097.19,1400.12 3209.45,1400.12 3267.74,1400.12 ; 3282.33,1430.58 3282.33,1445.8
  L1_TOP w5.87: 3282.33,1445.8 3282.33,1461.02
  L1_TOP w7.92: v1(3069,1514) 3069,1513.44 3074.08,1508.36 3074.08,1433.02 ; 3282.33,1415.36 3282.33,1430.58
  L1_TOP w12.01: 3074.08,1423.24 3074.08,1433.02
  L1_TOP w14.05: 3074.08,1423.24 3097.19,1400.12 ; 3267.74,1400.12 3275.03,1400.12 3282.32,1400.12 3282.33,1415.36
  L8_BOT w3.5: 3043.2,1434.4 3045.76,1445.92 3048.32,1457.43 3056.58,1465.69 3064.83,1473.94 3073.06,1482.17 ; v1(3069,1514) 3071.02,1501.96 3073.06,1497.92
  L8_BOT w5.87: 3073.06,1482.17 3073.06,1497.92
  L8_BOT w6.9: U201.19@3033.09,1424.28 3043.2,1434.39
  L8_BOT w14.05: U201.19@3010.29,1422.03 U201.19@3033.09,1424.28
EXP_IO13: J1003.33 U201.20 | length 323.8
  L1_TOP w6.9: 3151.7,1534.61 3153.19,1533.13 3154.03,1533.13 3159.16,1528 v1(3160,1528)
  L1_TOP w9.96: 3149.4,1536.92 3151.7,1534.61
  L1_TOP w14.05: 3149.4,1536.92 3149.4,1548.23 J1003.33@3179.19,1568.79
  L3_INT w7.92: v1(3059,1452) v1(3059,1452) 3145.85,1452.04 3153.16,1459.35 ; v1(3160,1528) 3160.08,1527.92 3160.08,1511.48 3160.47,1511.09
  L3_INT w14.05: 3153.16,1459.35 3160.47,1466.66 3160.47,1511.09
  L8_BOT w7.92: 3058.13,1444.02 3058.6,1444.49 3058.6,1451.6 v1(3059,1452)
  L8_BOT w10.99: 3058.13,1436 3058.13,1444.02
  L8_BOT w12.01: 3058.13,1424.39 3058.13,1436
  L8_BOT w14.05: U201.20@3010.29,1396.44 3045.25,1399.9 3058.13,1412.78 3058.13,1424.39
EXP_IO14: J1003.31 U201.4 | length 735.1
  L1_TOP w7.92: v1@3260.5,1526.66 v1(3263.43,1523.72) ; 3260.5,1541.56 3260.5,1601.17
  L1_TOP w8.94: v1@3260.5,1526.66 3260.5,1541.56
  L1_TOP w14.05: J1003.31@3179.19,1668.79 3193.9,1667.77 3260.5,1601.17
  L6_INT w8.94: 3252.85,1513.14 v1(3263.43,1523.72)
  L6_INT w9.96: v1(2868.61,1406.59) 2869.28,1405.92 2977.58,1405.92 2978.24,1406.59
  L6_INT w14.05: 2978.24,1406.59 3086.92,1406.59 3140.2,1459.86 3199.57,1459.86 3252.85,1513.14
  L8_BOT w7.92: 2862.66,1400.63 v1(2868.61,1406.59)
  L8_BOT w9.96: 2819.6,1370.85 2832.87,1370.85 2840.82,1378.79
  L8_BOT w14.05: U201.4@2779.79,1370.85 2819.6,1370.85 ; 2840.82,1378.79 2848.76,1386.73 2862.66,1400.63
EXT_PWREN: R114.1 R1032.1 U201.5 | length 3449.6
  L1_TOP w5: v1(2209.86,1778.12) 2222.62,1765.36 2222.62,1751.52 2223.14,1751 2223.14,1730.75 2222.62,1730.23 2222.62,1709.98 2259.41,1673.19 2415.64,1673.19 2429.46,1673.19 2458.28,1644.36 2496.11,1644.36 2506.88,1633.59 2593.09,1547.38 2679.3,1461.17 2700.85,1439.62 2767.91,1372.56 2835.1,1390.9 ; v1(2837,1402) 2836.04,1401.04 2836.04,1395.44 2835.1,1394.5 2835.1,1390.9 ; R1032.1@3290.63,637.95 3290.63,640.92 3290.63,876.21 3269.82,897.02 3259.42,907.42 3179.81,987.02 3179.81,992.92 3155.39,1017.35 3155.39,1072.08 3155.13,1073.66 3149.95,1089.14 3149.95,1101.76 3169.18,1120.98 3169.17,1148.36 3085.15,1232.38 3085.15,1272.14 2983.29,1374.01 2878.63,1374.01 2861.74,1390.9 2835.1,1390.9
  L3_INT w6.9: v1(1772.27,2470.87) 1783.21,2459.93 1837.91,2405.23 1848.85,2394.29 1903.55,2339.6 1980.13,2263.02 1991.07,2252.08 2034.82,2208.32 2045.76,2197.38 2111.4,2131.74 2187.98,2055.17 2198.92,2044.23 2209.86,2033.29
  L3_INT w7.92: v1(2209.86,1778.12) 2209.86,1928.22 2209.86,2033.29
  L6_INT w5: v1(1231.37,2620.26) 1232.72,2620.26 1239.68,2627.22 1435.52,2627.22 1577.8,2484.93 1615.62,2484.93 1629.68,2470.87 v1(1772.27,2470.87)
  L8_BOT w7.92: 1222.47,2620.26 v1(1231.37,2620.26)
  L8_BOT w14.05: R114.1@1202.3,2628.3 1211.64,2631.09 1222.47,2620.26 ; U201.5@2779.79,1396.44 2831.44,1396.44 v1(2837,1402)
FRS_EN1: U302.B6 U303.1 | length 1621.8
  L1_TOP w9.96: U303.1@785.28,433.98 U303.1@789.26,439.33
  L1_TOP w14.05: v1(775.79,423.78) 775.79,424.49 U303.1@785.28,433.98
  L6_INT w5: v1(775.79,423.78) 775.79,332.26 784.02,324.03 939.74,324.03 1130.19,514.47 1166.85,514.47 1271.55,619.17 1271.55,655.84 1288.87,673.16 1317.61,673.16 1319.22,671.55 1527.22,671.55 1538.73,683.06 1539.75,683.85 1583.99,709.6 1669.2,794.81 ; v2@1668.5,1178.15 1669.21,1177.44 1669.21,794.81
  L8_BOT w4: U302.B6@1656.38,1187.5 1657.53,1186.36 1660.59,1186.36 1666.32,1180.62 v2(1668.49,1180.62)
FRS_EN2: U305.B6 U306.1 | length 1469.4
  L1_TOP w5: U306.1@1424.46,639.67 1425.91,638.22 v1(1425.91,637)
  L3_INT w5: v1(779,1681) 787.85,1689.85 787.85,1693.36 795.49,1701 857.2,1701 892.29,1665.91 892.29,1636.39 1028.57,1500.11 1028.57,1266.43 1357.6,937.4 1366.66,937.4 1418.42,885.64 1418.42,807.06 1430.5,794.99 1430.5,743.53 1440.87,733.16 1440.87,690.61 1420.01,669.75 1420.01,654.82 1425.91,648.91 v1(1425.91,637)
  L8_BOT w5: v1(779,1681) 777.64,1679.64 777.64,1679.39 779.95,1668.18 782.26,1656.96 784.58,1645.74 794.43,1635.89 U305.B6@797.98,1632.34
FT_NPWREN: U901.41
FT_NRXLED1: D902.C U901.12 | length 660.2
  L1_TOP w10.99: 190.91,484.53 199.23,476.22 206.71,468.73 v1(214.2,461.24)
  L1_TOP w14.05: D902.C@160.11,484.53 190.91,484.53 ; v1(691.5,562.64) 696.24,567.38 U901.12@696.24,638.35
  L3_INT w6.9: 544.76,542.33 622.72,542.33
  L3_INT w7.92: 622.72,542.33 669.5,542.33 677.59,549.8 ; 685.68,557.27 v1(691.5,562.64)
  L3_INT w9.96: 264.88,511.92 275.01,522.05
  L3_INT w10.99: 451.21,542.33 466.8,542.33
  L3_INT w13.03: 254.74,501.78 264.88,511.92 ; 275.01,522.05 285.15,532.19 ; 388.84,542.33 404.43,542.33 ; 466.8,542.33 482.39,542.33
  L3_INT w14.05: v1(214.2,461.24) 224.34,471.38 234.47,481.51 244.61,491.65 254.74,501.78 ; 285.15,532.19 295.29,542.33 388.84,542.33 ; 404.43,542.33 451.21,542.33 ; 482.39,542.33 544.76,542.33 ; 677.59,549.8 685.68,557.27
FT_NRXLED2: D906.C U901.28 | length 606.2
  L1_TOP w5.87: v1(624.71,930.13) 630.79,936.22
  L1_TOP w6.9: 630.79,936.22 U901.28@637.14,942.56
  L1_TOP w8.94: U901.28@637.15,942.56 U901.28@637.15,955.82
  L1_TOP w14.05: D906.C@160.11,703.41 D906.C@177.56,697.61 ; D906.C@177.56,697.62 v1(192.47,712.52) ; U901.28@637.15,955.82 U901.28@637.15,969.34
  L3_INT w4.85: 221.24,712.52 235.63,712.52 ; 257.7,734.59 268.73,745.62 ; 312.87,789.76 323.9,800.79 334.94,811.83
  L3_INT w5.87: 268.73,745.62 279.77,756.65
  L3_INT w6.9: 206.85,712.52 221.24,712.52
  L3_INT w7.92: v1@621.2,930.13 v1(624.71,930.13)
  L3_INT w9.96: 235.63,712.52 246.66,723.55
  L3_INT w14.05: v1(192.47,712.52) 206.85,712.52 ; 246.66,723.55 257.7,734.59 ; 279.77,756.65 290.8,767.69 312.87,789.76 ; 334.94,811.83 345.97,822.86 379.07,855.96 390.11,867 401.14,878.03 423.21,900.1 591.17,900.1 v1@621.2,930.13
FT_NSLEEP1: D909.A U901.13 | length 626.3
  L1_TOP w8.94: 364.5,368.29 v1(372.95,368.29) ; 753.38,673.21 753.38,662.06 v1(760.45,655)
  L1_TOP w14.05: D909.A@339.93,388.93 D909.A@343.87,388.92 ; D909.A@343.87,388.91 364.5,368.29 ; 753.38,673.21 U901.13@753.4,695.49
  L8_BOT w14.05: v1(372.95,368.29) 407.37,402.72 527.85,402.72 541.08,415.95 581.24,415.95 614.75,449.46 614.75,509.3 v1(760.45,655)
FT_NSLEEP2: D910.A U901.29 | length 834.7
  L1_TOP w3.5: 441.27,674.78 452.2,682.63 463.09,690.47
  L1_TOP w3.83: 667.39,894.77 688.89,916.27
  L1_TOP w4.85: 331.12,540.83 331.12,582.08 423.82,674.78 441.27,674.78 ; 463.1,690.48 667.39,894.77 ; 688.89,916.27 705.09,932.46 724.58,951.95 724.58,964.01
  L1_TOP w5.87: D910.A@322.92,488.16 331.12,496.36 331.12,540.83 ; 724.58,964.01 724.58,976.07
  L1_TOP w6.9: 701.93,1010.78 724.58,988.13 724.58,976.07
  L1_TOP w14.05: D910.A@306.52,471.76 306.52,477.68 316.99,488.16 D910.A@322.92,488.16 ; U901.29@618.48,992.31 618.48,1002.85 626.41,1010.78 701.93,1010.78
FT_NTXLED1: D903.C U901.11 | length 662.5
  L1_TOP w9.96: v1(673.96,598.87) v1@676.56,601.46
  L1_TOP w14.05: v1(159.57,399.69) 160.63,398.64 D903.C@160.62,375.09 ; v1@676.56,601.46 U901.11@676.56,638.35
  L6_INT w6.9: 352.75,464.21 363.5,474.96 ; 395.76,507.22 406.51,517.97
  L6_INT w7.92: 363.5,474.96 374.26,485.71 385.01,496.47
  L6_INT w8.94: 385.01,496.47 395.76,507.22
  L6_INT w13.03: 406.51,517.97 417.27,528.73 ; 517.67,582.49 533.21,582.49 ; 564.31,582.49 595.4,582.49 ; 642.04,582.49 657.58,582.49 665.77,590.68 v1(673.96,598.87)
  L6_INT w14.05: v1(159.57,399.69) 288.23,399.69 298.99,410.45 309.74,421.2 320.49,431.95 331.24,442.7 342,453.46 352.75,464.21 ; 417.27,528.73 428.02,539.48 438.77,550.23 449.52,560.98 460.28,571.74 471.03,582.49 517.67,582.49 ; 533.21,582.49 564.31,582.49 ; 595.4,582.49 642.04,582.49
FT_NTXLED2: D905.C U901.27 | length 840.7
  L1_TOP w7.92: v1(644.31,930.32) 645.2,931.2 656.85,931.2
  L1_TOP w13.03: 656.85,931.2 U901.27@656.85,943.91
  L1_TOP w14.05: D905.C@160.62,593.97 165.75,599.1 v1(165.75,638.18) ; U901.27@656.85,943.91 U901.27@656.85,969.34
  L3_INT w6.9: 297.33,638.18 311.95,638.18
  L3_INT w7.92: 635.73,895.41 635.73,921.74
  L3_INT w8.94: 635.73,921.74 v1(644.31,930.32)
  L3_INT w9.96: 311.95,638.18 326.57,638.18
  L3_INT w12.01: 282.71,638.18 297.33,638.18
  L3_INT w14.05: v1(165.75,638.18) 282.71,638.18 ; 326.57,638.18 349.84,638.18 414.82,573.2 440.78,573.2 507.83,640.25 507.83,716.28 635.73,844.18 635.73,895.41
FT_USB_DN: U901.8 U902.C2 | length 716.3
  L1_TOP w3.5: U902.C2@407.01,267.54 407.38,267.91 v2(407.38,292.46) ; U901.8@617.45,638.34 617.45,662.34 611.85,667.94 611.85,675.46 630.63,694.23 673.33,694.23 679.11,688.46 679.11,687.82 682.09,684.83 v2(682.09,682.53)
  L6_INT w3.5: v2(407.38,292.46) 407.38,294.76 411.13,298.51 411.13,306.81 436.79,332.47 508.47,332.47 609.05,433.05 609.05,453.39 702.25,546.59 702.25,670.3 690.51,682.04 682.58,682.04 v2(682.09,682.53)
FT_USB_DP: R925.1 U901.7 U902.C1 | length 781.4
  L1_TOP w3.5: U902.C1@422.75,267.54 422.38,267.91 v2(422.38,292.46) 424.01,290.83 427.79,290.83 450.08,268.54 R925.1@450.08,267.54 ; U901.7@597.75,638.34 597.75,662.34 603.35,667.94 603.35,678.98 627.11,702.73 676.85,702.73 683.11,696.48 688.98,696.48 v2(690.5,694.95)
  L6_INT w3.5: v2(422.38,292.46) 422.38,294.76 418.63,298.51 418.63,303.71 439.89,324.97 511.57,324.97 616.55,429.94 616.55,450.28 709.75,543.48 709.75,673.4 690.5,692.65 v2(690.5,694.95)
FT_VCCOUT_3V3: C920.2 R927.1 U901.6 | length 533.6
  L1_TOP w4.85: 617.11,709.91 686.87,709.91 ; 666.63,500.83 683.32,517.52
  L1_TOP w6.9: 660.83,495.03 660.83,490.01 668,482.84 v1(668,482) ; 686.87,709.91 688.37,708.4 699.49,708.4 707.37,700.52 707.37,689.4 728.83,667.95 ; 739.32,657.45 760.3,636.47
  L1_TOP w8.94: 660.83,495.03 666.63,500.83 ; 728.83,667.95 739.32,657.45
  L1_TOP w12.01: R927.1@653.05,438.75 655.77,441.47 v1(655.77,458.03)
  L1_TOP w14.05: U901.6@579.08,661.31 579.08,671.88 617.11,709.91 ; C920.2@621.7,490.38 656.17,490.37 660.83,495.03 ; 683.32,517.52 760.3,594.5 760.3,636.47
  L3_INT w14.05: v1(655.77,458.03) 668,470.26 v1(668,482)
FTDI_NPOR: C909.1 R924.2 U901.4 | length 852.5
  L1_TOP w5: U901.4@538.64,638.35 539,665.84 v1(539,680) ; U901.4@539.32,615.36 539.32,602.94 552.69,589.57 622.12,589.57 626.77,588.69 628.28,588.4 629.37,587.31 629.64,587.04 642.07,587.04 646.55,582.57 646.55,579.04 647.48,578.11 C909.1@655.02,578.11 ; v1(857.53,897.39) 867.56,853.9 R924.2@870.53,851.93
  L3_INT w5: v1(539,680) 682.54,823.54 682.54,964.19 744.97,1026.62 770.14,1026.62 823.57,973.18 823.57,931.22 857.4,897.39 v1(857.53,897.39)
FTDI_NRSTOUT: R925.2 U901.5 | length 766.3
  L1_TOP w3.5: R925.2@479.6,267.54 479.6,268.54 503.61,292.55 503.74,292.55 520.5,309.31 520.5,335.73 510.76,345.47 494.79,345.47 492.3,347.96 440.99,347.96 439.7,348.21 410.95,359.67 383.52,387.09 383.52,418.38 351.75,450.16 351.75,479.88 363.82,491.96 363.82,520.55 356.03,528.35 356.03,580.09 360.46,584.53 390.87,584.53 396.04,597.74 401.22,610.95 406.39,624.16 413.95,631.72 426.43,631.72 448.39,653.68 448.39,654.13 490.25,696 545,696 558.35,682.65 U901.5@558.35,638.35
FTDIA_RX: U901.23 U904.12 | length 870.5
  L1_TOP w3.5: U904.12@436.26,415.18 443.45,407.98 444.92,397.77
  L1_TOP w3.83: 444.92,397.77 446.4,387.57
  L1_TOP w5: v1(713.95,877) 713.95,883.42 718.62,888.09 720.36,888.09 724.77,892.5 725.98,892.5 U901.23@753.4,892.49
  L1_TOP w7.92: v1(435.88,372.86) 446.4,383.37
  L1_TOP w9.96: 446.4,383.37 446.4,387.56
  L1_TOP w10.99: U904.12@428.34,417.11 U904.12@436.26,415.18
  L1_TOP w13.03: U904.12@420.44,419.03 U904.12@428.34,417.11
  L3_INT w9.96: v1(713.95,877) 723.6,867.36 724.17,867.36
  L3_INT w14.05: v1(435.88,372.86) 463.74,372.86 484.04,393.16 500.3,393.16 524.64,417.5 524.64,433.75 544.94,454.05 576.44,454.05 591.31,439.19 664.28,439.19 736,510.91 736,855.53 724.17,867.36
FTDIA_TX: U901.24 U904.13 | length 802.2
  L1_TOP w5: v1(708,904) 715.51,911.51 U901.24@753.4,911.51
  L1_TOP w7.92: v1(416.43,384.5) 420.43,388.5
  L1_TOP w14.05: 420.43,388.5 U904.13@420.44,399.36
  L3_INT w5: v1(416.43,384.5) 416.43,434.89 465.41,483.87 512.87,483.87 557.5,528.5 674.63,528.5 703,556.87 703,722.42 702.45,722.97 702.45,881.76 708,887.31 v1(708,904)
FTDIB_RX: U901.39 U904.10 | length 561.9
  L1_TOP w3.5: 376.13,473.93 376.13,483.57 382.65,490.09 383.38,490.09 389.9,496.61 ; 382.48,467.58 398.19,467.58
  L1_TOP w3.83: 376.13,473.93 382.48,467.58 ; 398.19,467.58 U904.10@407.34,458.43
  L1_TOP w4.85: 389.9,496.61 389.9,508.07
  L1_TOP w5.87: 366.82,886.88 381.21,886.88 U901.39@395.31,872.78
  L1_TOP w7.92: v1(352.44,886.88) 366.82,886.88 ; U901.39@395.31,872.78 U901.39@408.86,872.78
  L1_TOP w12.01: 389.9,508.07 389.9,519.53 v1(390.85,520.47)
  L1_TOP w13.03: U904.10@407.34,458.43 U904.10@420.44,458.42
  L1_TOP w14.05: U901.39@408.86,872.78 U901.39@422.4,872.79
  L6_INT w7.92: 383.28,528.04 v1(390.85,520.47)
  L6_INT w10.99: 368.15,730.61 368.15,761.84
  L6_INT w12.01: 368.15,683.75 368.15,714.99
  L6_INT w14.05: v1(352.44,886.88) 368.15,871.18 368.15,761.84 ; 368.15,683.75 368.15,621.27 368.15,543.18 375.71,535.61 383.28,528.04 ; 368.15,714.99 368.15,730.61
FTDIB_TX: U901.40 U904.11 | length 1030
  L1_TOP w3.5: 279.51,875.89 375.37,875.89
  L1_TOP w4.85: 375.37,875.89 385.06,866.2
  L1_TOP w5.87: 385.06,853.09 385.06,866.2
  L1_TOP w6.9: 385.06,853.09 U901.40@397.51,853.09
  L1_TOP w7.92: v1(369,462) 369,461.44 378.08,452.36 378.08,451.3 390.65,438.72 390.83,438.72
  L1_TOP w9.96: 390.83,438.72 U904.11@405.63,438.72
  L1_TOP w14.05: v1(265.79,889.6) 279.5,875.89 ; U901.40@397.51,853.09 U901.40@422.4,853.09 ; U904.11@405.63,438.72 U904.11@420.44,438.73
  L3_INT w9.96: 360.11,453.47 360.46,453.47 v1(369,462)
  L3_INT w12.01: 154.55,415.05 169.75,415.05 ; 245.72,415.05 260.91,415.05
  L3_INT w13.03: 139.36,415.05 154.55,415.05 ; 208.79,832.6 218.29,842.1 227.79,851.6 237.29,861.1 246.79,870.6 256.29,880.1 v1(265.79,889.6)
  L3_INT w14.05: 139.35,415.05 124.16,430.24 124.16,719.81 208.79,804.44 208.79,832.6 ; 169.75,415.05 245.72,415.05 ; 260.91,415.05 321.69,415.05 331.29,424.65 340.9,434.26 360.11,453.47